# KiCad board Video Board - Signals.kicad_pcb (continued)
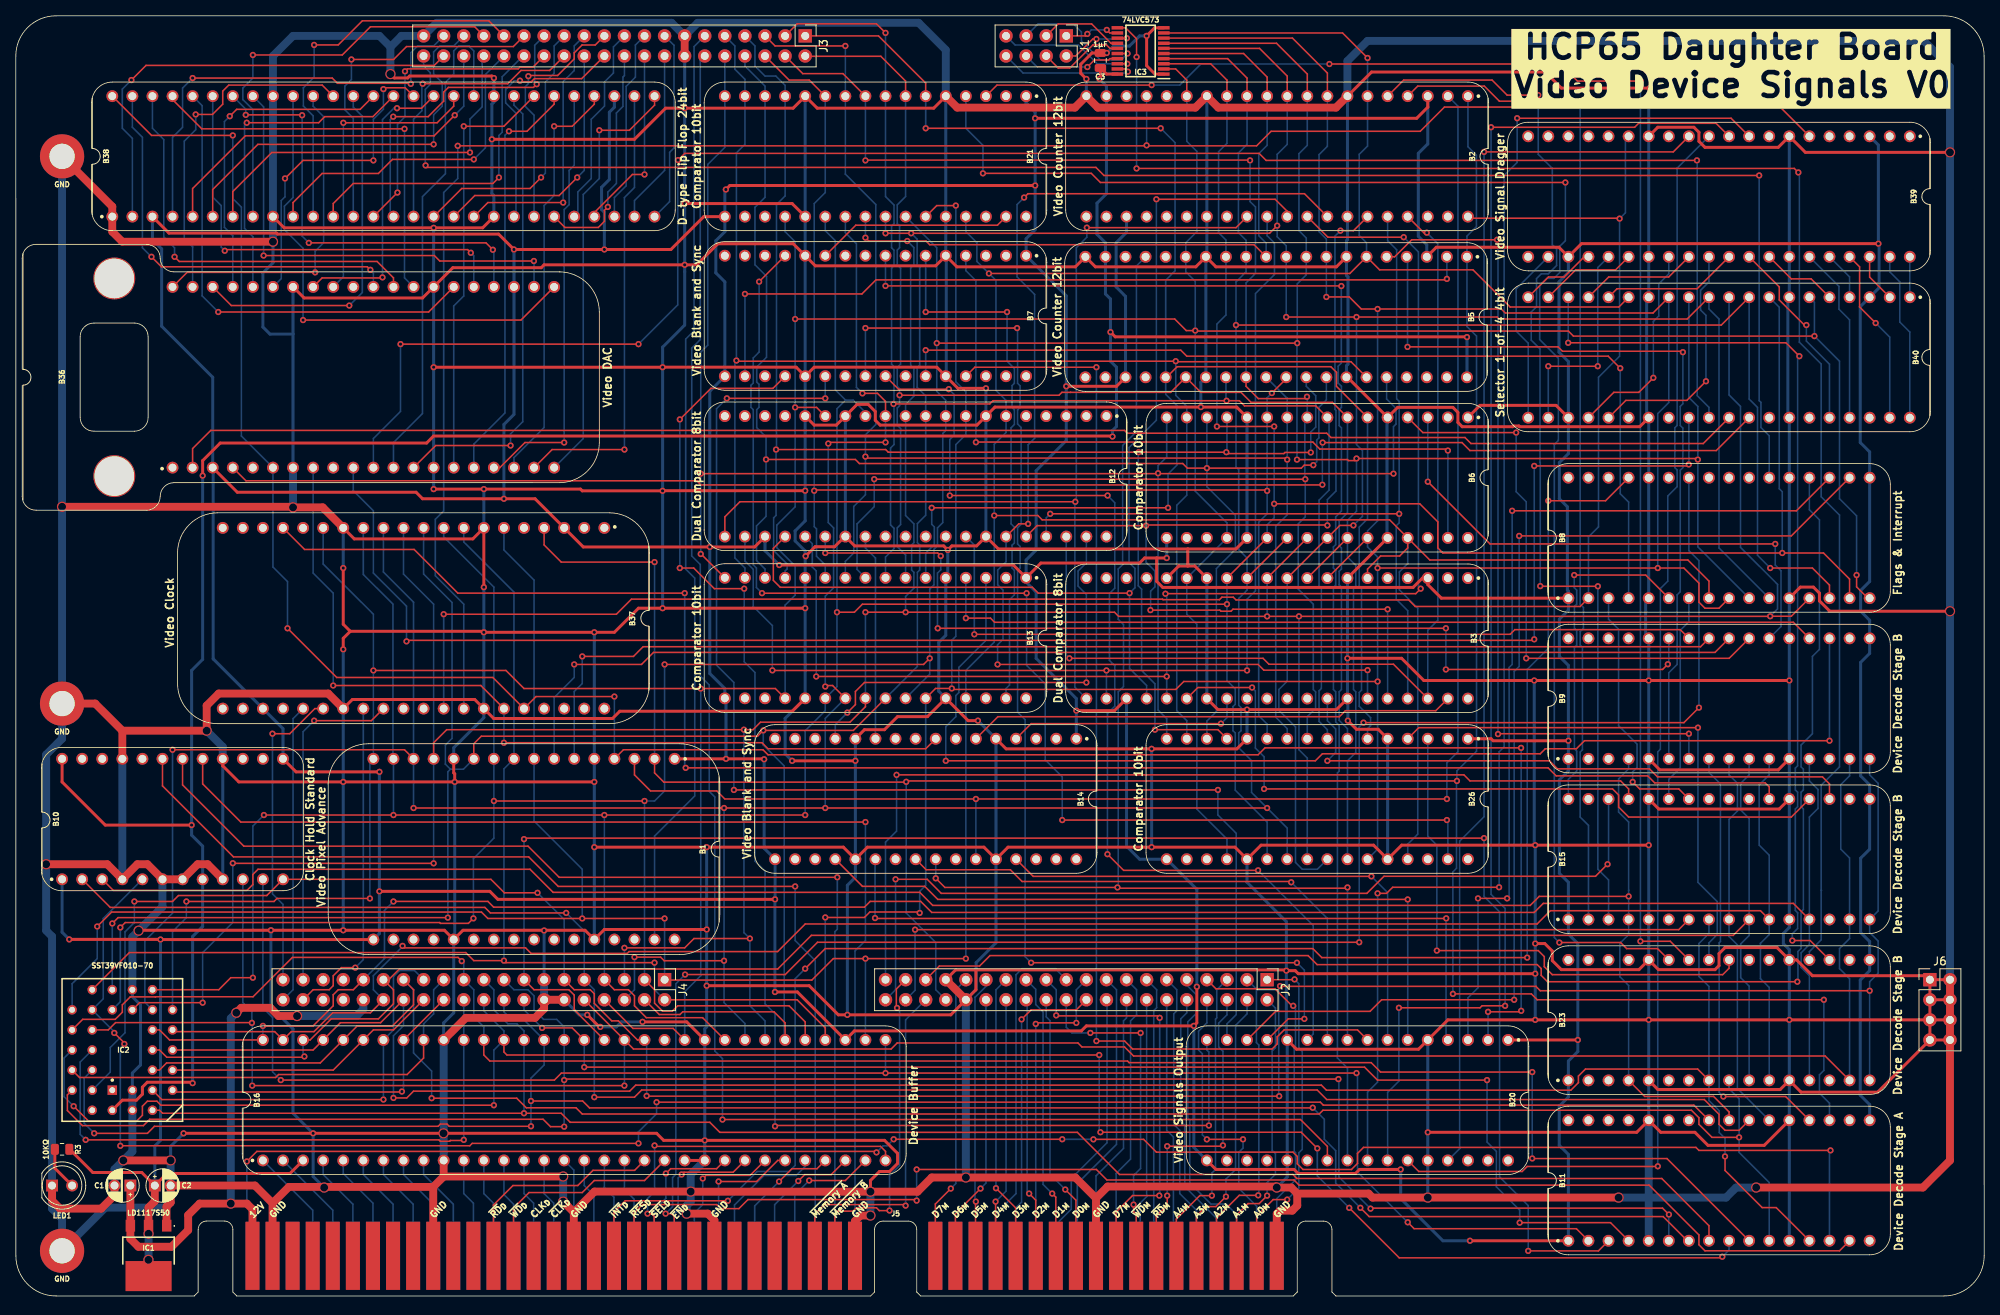
[diagram p0: board, top side]
## Nets
12V: C1.1 IC1.3 J4.32 J5.B1
/3.3V: B2.19 B5.19 B5.40 B10.8 B10.24 C3.2 IC2.32 IC3.20
/5V: B1.1 B1.17 B2.3 B2.23 B3.3 B3.23 B5.3 B5.23 B6.1 B6.17 B7.1 B7.17 B8.1 B8.17 B9.1 B9.17 B10.1 B10.13 B11.1 B11.17 B12.3 B12.23 B13.1 B13.17 B14.1 B14.17 B15.1 B15.17 B16.3 B16.35 B20.1 B20.17 B21.1 B21.17 B23.1 B23.17 B26.1 B26.17 B36.3 B36.23 B37.3 B37.23 B38.3 B38.31 B39.3 B39.23 B40.3 B40.23 C2.1 IC1.2 IC1.4 R3.2
GND: B1.5 B1.12 B1.21 B1.28 B2.7 B2.14 B2.20 B2.27 B2.34 B3.7 B3.14 B3.16 B3.27 B3.34 B5.7 B5.14 B5.20 B5.27 B5.34 B6.5 B6.12 B6.21 B6.28 B7.5 B7.12 B7.21 B7.28 B8.5 B8.12 B8.21 B8.28 B9.5 B9.12 B9.21 B9.28 B10.4 B10.6 B10.7 B10.9 B10.16 B10.21 B11.5 B11.12 B11.21 B11.28 B12.7 B12.14 B12.16 B12.27 B12.34 B13.5 B13.12 B13.21 B13.28 B14.5 B14.12 B14.21 B14.28 B15.5 B15.12 B15.21 B15.28 B16.10 B16.22 B16.23 B16.42 B16.55 B20.5 B20.12 B20.21 B20.28 B21.5 B21.12 B21.21 B21.28 B23.5 B23.12 B23.21 B23.28 B26.5 B26.12 B26.21 B26.28 B36.7 B36.14 B36.27 B36.34 B37.7 B37.14 B37.27 B37.34 B38.1 B38.9 B38.20 B38.37 B38.48 B39.7 B39.14 B39.27 B39.34 B40.7 B40.14 B40.27 B40.34 C1.2 C2.2 C3.1 H1.1 H9.1 H19.1 IC1.1 IC2.2 IC2.3 IC2.16 IC3.1 IC3.10 J2.32 J2.33 J3.13 J3.14 J3.39 J4.12 J4.13 J4.14 J5.B2 J5.B10 J5.B17 J5.B24 J5.B31 J5.D9 J5.D18 J6.1 J6.2 J6.3 J6.4 J6.5 J6.6 J6.7 J6.8 LED1.1
/A0: B9.13 B15.13 B16.64 B23.13 IC2.12 J4.31
/A1: B9.11 B15.11 B16.63 B23.11 IC2.11 J4.30
/A2: B9.10 B15.10 B16.62 B23.10 IC2.10 J4.29
/A3: B11.13 B15.8 B16.61 B23.8 IC2.9 J4.28
/A4: B11.11 B16.60 B23.9 IC2.8 J4.27
/A5: B16.59 IC2.7 J4.26
/A6: B16.58 IC2.6 J4.25
/A7: B16.57 IC2.5 J4.24
/A8: B16.56 IC2.27 J4.23
/A9: B16.54 IC2.26 J4.22
/A10: B11.10 B16.53 IC2.23 J4.21
/A11: B11.9 B16.52 IC2.25 J4.20
/A12: B11.8 B16.51 IC2.4 J4.19
/A13: B11.7 B16.50 IC2.28 J4.18
/A14: B11.6 B16.49 IC2.29 J4.17
/A15: B11.4 B16.48 J4.16
/A16: B11.3 B16.47 J4.15
/Advance Pixel: B1.31 J3.11
/Blue0: B38.28 J3.15
/Blue1: B38.27 J3.16
/Blue2: B38.26 J3.17
/Blue3: B38.25 J3.18
/Blue4: B38.24 J3.19
/Blue5: B38.23 J3.20
/Blue6: B38.22 J3.21
/Blue7: B38.21 J3.22
/D0: B1.16 B2.15 B3.15 B5.15 B6.20 B8.16 B12.15 B13.20 B16.43 B21.20 B26.20 B37.15 B40.6 IC2.13 IC3.2 J4.8
/D1: B1.15 B2.13 B3.13 B5.13 B6.22 B8.15 B12.13 B13.22 B16.41 B21.22 B26.22 B37.13 B40.8 IC2.14 IC3.3 J4.7
/D2: B1.14 B2.12 B3.12 B5.12 B6.23 B8.14 B12.12 B13.23 B16.40 B21.23 B26.23 B37.12 B40.9 IC2.15 IC3.4 J4.6
/D3: B1.13 B2.11 B3.11 B5.11 B6.24 B8.13 B12.11 B13.24 B16.39 B21.24 B26.24 B37.11 B40.10 IC2.17 IC3.5 J4.5
/D4: B1.11 B2.10 B3.10 B5.10 B6.25 B8.11 B12.10 B13.25 B16.38 B21.25 B26.25 B37.10 B40.11 IC2.18 IC3.6 J4.4
/D5: B1.10 B2.9 B3.9 B5.9 B6.26 B8.10 B12.9 B13.26 B16.37 B21.26 B26.26 B37.9 B40.12 IC2.19 IC3.7 J4.3
/D6: B1.9 B2.8 B3.8 B5.8 B6.27 B8.9 B12.8 B13.27 B16.36 B21.27 B26.27 B37.8 B40.13 IC2.20 IC3.8 J4.2
/D7: B1.8 B2.6 B3.6 B5.6 B6.29 B8.8 B12.6 B13.29 B16.34 B21.29 B26.29 B37.6 B40.15 IC2.21 IC3.9 J4.1
/First Pixel: B5.17 B14.25 B20.9
/First Pixel HC: B7.8 B20.24
/First Row: B7.25 B20.11
/Green0: B38.19 J3.23
/Green1: B38.18 J3.24
/Green2: B38.17 J3.25
/Green3: B38.16 J3.26
/Green4: B38.15 J3.27
/Green5: B38.14 J3.28
/Green6: B38.13 J3.29
/Green7: B38.12 J3.30
/H3: B2.29 B3.21 B12.21
/H4: B2.30 B3.22 B12.22
/H5: B2.31 B3.24 B12.24
/H6: B2.32 B3.25 B12.25
/H7: B2.33 B3.35 B12.35
/H8: B2.35 B3.36 B12.36
/H9: B2.36 B3.37 B12.37
/H10: B2.37 B3.38 B12.38
/HCBlue0: B36.20 B38.29
/HCBlue1: B36.19 B38.30
/HCBlue2: B36.18 B38.32
/HCBlue3: B36.17 B38.33
/HCBlue4: B36.16 B38.34
/HCBlue5: B36.15 B38.35
/HCBlue6: B36.13 B38.36
/HCBlue7: B36.12 B38.38
/HCGreen0: B36.32 B38.39
/HCGreen1: B36.33 B38.40
/HCGreen2: B36.35 B38.41
/HCGreen3: B36.36 B38.42
/HCGreen4: B36.37 B38.43
/HCGreen5: B36.38 B38.44
/HCGreen6: B36.39 B38.45
/HCGreen7: B36.40 B38.46
/HCRed0: B36.21 B38.47
/HCRed1: B36.22 B38.49
/HCRed2: B36.24 B38.50
/HCRed3: B36.25 B38.51
/HCRed4: B36.26 B38.52
/HCRed5: B36.28 B38.53
/HCRed6: B36.29 B38.54
/HCRed7: B36.30 B38.55
/Horizontal Blank: B14.29 B20.7
/Horizontal Blank _{FINAL}: B36.2 B40.31
/Horizontal Blank C3: B39.33 B40.5
/Horizontal Blank C4: B39.24 B40.20
/Horizontal Blank HC: B20.27 B39.11
/Horizontal Blank HC3: B39.38 B40.2
/Horizontal Blank HC4: B39.29 B40.17
/Horizontal Sync: B14.22 B20.4
/Horizontal Sync _{FINAL}: B36.4 B40.32
/Horizontal Sync C3: B39.32 B40.36
/Horizontal Sync C4: B39.22 B40.21
/Horizontal Sync HC: B20.29 B39.12
/Horizontal Sync HC3: B39.37 B40.39
/Horizontal Sync HC4: B39.28 B40.24
/Horizontal Sync Polarity: B8.19 B20.3
/Last Pixel+1: B14.24 B20.10
/Last Pixel+1 HC: B20.23 J3.12
/Last Row+1: B7.24 B20.13
/Memory Frame: B8.20 J2.35
/Palette Write: B8.22 J3.40
/Pixel CLK_{0}: B1.4 B20.2 B36.6 B37.36 B38.56
/Pixel CLK_{1}: B2.17 B37.33 B39.6
/Pixel CLK_{2}: B37.29 J4.37
/Pixel CLK_{3}: B37.26 J4.39
/PL0: IC3.19 J1.8
/PL1: IC3.18 J1.7
/PL2: IC3.17 J1.6
/PL3: IC3.16 J1.5
/PL4: IC3.15 J1.4
/PL5: IC3.14 J1.3
/PL6: IC3.13 J1.2
/PL7: IC3.12 J1.1
/Read Address Bank: B15.7 J2.38
/Read Address High: B15.29 J2.39
/Read Address Low: B15.30 J2.40
/Read Flags: B8.6 B15.32
/Read Horizontal High: B2.4 B15.2
/Read Horizontal Low: B2.5 B15.3
/Read Vertical High: B5.4 B9.6
/Read Vertical Low: B5.5 B9.7
/Red0: B38.11 J3.31
/Red1: B38.10 J3.32
/Red2: B38.8 J3.33
/Red3: B38.7 J3.34
/Red4: B38.6 J3.35
/Red5: B38.5 J3.36
/Red6: B38.4 J3.37
/Red7: B38.2 J3.38
/Row0: B5.25 B6.6 B13.6 B21.6 B26.6 J3.1
/Row1: B5.26 B6.7 B13.7 B21.7 B26.7 J3.2
/Row2: B5.28 B6.8 B13.8 B21.8 B26.8 J3.3
/Row3: B5.29 B6.9 B13.9 B21.9 B26.9 J3.4
/Row4: B5.30 B6.10 B13.10 B21.10 B26.10 J3.5
/Row5: B5.31 B6.11 B13.11 B21.11 B26.11 J3.6
/Row6: B5.32 B6.13 B13.13 B21.13 B26.13 J3.7
/Row7: B5.33 B6.14 B13.14 B21.14 B26.14 J3.8
/Row8: B5.35 B6.15 B13.15 B21.15 B26.15 J3.9
/Row9: B5.36 B6.16 B13.16 B21.16 B26.16 J3.10
/Vertical Blank: B7.29 B20.8
/Vertical Blank _{FINAL}: B36.10 B40.29
/Vertical Blank C3: B39.36 B40.4
/Vertical Blank C4: B39.26 B40.19
/Vertical Blank HC: B20.25 B39.9
/Vertical Blank HC3: B39.40 B40.1
/Vertical Blank HC4: B39.31 B40.16
/Vertical Sync: B7.22 B20.15
/Vertical Sync _{FINAL}: B36.11 B40.30
/Vertical Sync C3: B39.35 B40.37
/Vertical Sync C4: B39.25 B40.22
/Vertical Sync HC: B20.26 B39.10
/Vertical Sync HC3: B39.39 B40.40
/Vertical Sync HC4: B39.30 B40.25
/Vertical Sync Polarity: B8.18 B20.14
/Write Clear Interrupt: B8.3 B15.26
/Write Clock Select: B15.22 B37.17
/Write Flags: B8.7 B15.27
/Write Horizontal Back Porch End: B9.26 B12.33
/Write Horizontal Back Porch Start: B9.27 B12.26
/Write Horizontal Front Porch Start: B3.26 B15.20
/Write Horizontal Shift Pattern High: B1.7 B9.24
/Write Horizontal Shift Pattern Low: B1.6 B9.25
/Write Horiztonal Sync Start: B3.33 B15.19
/Write Palette Byte: B23.20 IC3.11
/Write Vertical Back Porch End High: B23.24 B26.3
/Write Vertical Back Porch End Low: B23.25 B26.4
/Write Vertical Back Porch Start High: B21.3 B23.26
/Write Vertical Back Porch Start Low: B21.4 B23.27
/Write Vertical Front Porch Start High: B6.3 B9.22
/Write Vertical Front Porch Start Low: B6.4 B9.23
/Write Vertical Sync Start High: B9.19 B13.3
/Write Vertical Sync Start Low: B9.20 B13.4
/Write Video Signal Delay: B23.19 B40.18
/~{A3}: B9.8 B11.20
/~{A4}: B9.9 B11.22 B15.9
/~{Device RAM}: B10.2 B11.23 J4.9
/~{Device Registers}: B9.4 B10.3 B11.24 B15.4 B23.4
/~{Device ROM}: B10.5 B11.25 IC2.22
/~{Device Select}: B10.11 B11.2 B16.33
/~{Horizontal Back Porch End} _{CMP}: B12.39 B14.13
/~{Horizontal Back Porch Start} _{CMP}: B12.28 B14.11
/~{Horizontal Blank}: B1.3 B2.2 B14.27
/~{Horizontal Front Porch Start} _{CMP}: B3.28 B14.4
/~{Horizontal Sync Start} _{CMP}: B3.39 B14.6
/~{Horizontal Sync}: B14.20 B20.6
/~{Pixel CLK}_{0}: B14.8 B36.8 B37.35
/~{Pixel CLK}_{1}: B2.40 B8.2 B37.32 B39.15
/~{Pixel CLK}_{2}: B37.28 J4.38
/~{Pixel CLK}_{3}: B37.25 J4.40
/~{RD}: B9.15 B10.10 B15.15 B16.46 B23.15 IC2.24 J4.10
/~{Reset}: B1.2 B2.1 B5.1 B11.19 B37.4 J2.34
/~{Vertical Back Porch End}: B5.2 B7.18
/~{Vertical Back Porch End} _{CMP}: B7.13 B26.31
/~{Vertical Back Porch Start} _{CMP}: B7.11 B21.31
/~{Vertical Blank}: B7.27 B8.4
/~{Vertical Front Porch Start} _{CMP}: B6.31 B7.4
/~{Vertical Sync Start} _{CMP}: B7.6 B13.31
/~{Vertical Sync}: B7.20 B20.16
/~{WD}: B9.16 B10.12 B15.16 B16.45 B23.16 IC2.31 J4.11
AD0: B16.1 J5.A4
AD1: B16.2 J5.A5
AD2: B16.4 J5.A6
AD3: B16.5 J5.A7
AD4: B16.6 J5.A8
AD5: B16.7 J5.A9
AD6: B16.8 J5.A10
AD7: B16.9 J5.A11
AD8: B16.11 J5.A12
AD9: B16.12 J5.A13
AD10: B16.13 J5.A14
AD11: B16.14 J5.A15
AD12: B16.15 J5.A16
AD13: B16.16 J5.A17
AD14: B16.17 J5.A18
AD15: B16.18 J5.A19
AD16: B16.19 J5.A20
AM0: J2.1 J5.D17
AM1: J2.2 J5.D16
AM2: J2.3 J5.D15
AM3: J2.4 J5.D14
AM4: J2.5 J5.D13
AM5: J2.6 J5.D12
AM6: J2.7 J5.C18
AM7: J2.8 J5.C17
AM8: J2.9 J5.C16
AM9: J2.10 J5.C15
AM10: J2.11 J5.C14
AM11: J2.12 J5.C13
AM12: J2.13 J5.C12
AM13: J2.14 J5.C11
AM14: J2.15 J5.C10
AM15: J2.16 J5.C9
AM16: J2.17 J5.C8
AM17: J2.18 J5.C7
AM18: J2.19 J5.C6
AM19: J2.20 J5.C5
AM20: J2.21 J5.C4
DD0: B16.31 J5.A28
DD1: B16.30 J5.A27
DD2: B16.29 J5.A26
DD3: B16.28 J5.A25
DD4: B16.27 J5.A24
DD5: B16.26 J5.A23
DD6: B16.25 J5.A22
DD7: B16.24 J5.A21
Device CLK: J5.B15
DM0: J2.24 J5.D8
DM1: J2.25 J5.D7
DM2: J2.26 J5.D6
DM3: J2.27 J5.D5
DM4: J2.28 J5.D4
DM5: J2.29 J5.D3
DM6: J2.30 J5.D2
DM7: J2.31 J5.D1
D~{RD}: B16.20 J5.B13
D~{WD}: B16.21 J5.B14
HD0: B10.17 J5.A31
HD1: B10.18 J5.A30
HD2: B10.19 J5.A29
M~{RD}: J2.23 J5.D10
M~{WD}: J2.22 J5.D11
~{Device CLK}: J5.B16
~{Device Interrupt}: B8.29 J5.B19
~{Enable Device}: B8.26 J5.B22
~{Memory A}: J2.36 J5.B29
~{Memory B}: J2.37 J5.B30
~{Reset Device}: B11.15 J5.B20
~{Reset System}: B11.14 J5.A1
~{Select Device}: B16.32 J5.B21
Net-(LED1-A): LED1.2 R3.1

Pads without a net: B1 18 19 20 22 23 24 25 26 27 29 30 32; B2 16 18 21 22 24 25 26 28 38 39; B3 1 2 4 5 17 18 19 20 29 30 31 32 40; B5 16 18 21 22 24 37 38 39; B6 2 18 19 30 32; B7 2 3 7 9 10 14 15 16 19 23 26 30 31 32; B8 23 24 25 27 30 31 32; B9 2 3 14 18 29 30 31 32; B10 14 15 20 22 23; B11 16 18 26 27 29 30 31 32; B12 1 2 4 5 17 18 19 20 29 30 31 32 40; B13 2 18 19 30 32; B14 2 3 7 9 10 14 15 16 18 19 23 26 30 31 32; B15 6 14 18 23 24 25 31; B16 44; B20 18 19 20 22 30 31 32; B21 2 18 19 30 32; B23 2 3 6 7 14 18 22 23 29 30 31 32; B26 2 18 19 30 32; B36 1 5 9 31; B37 1 2 5 16 18 19 20 21 22 24 30 31 37 38 39 40; B39 1 2 4 5 8 13 16 17 18 19 20 21; B40 26 28 33 35 38; IC2 1 30; J4 33 34 35 36; J5 A2 A3 B3 B4 B5 B6 B7 B8 B9 B11 B12 B18 B23 B25 B26 B27 B28 C1 C2 C3

## Via types
v1: diameter 0.8, hole 0.4, Top to Bottom, 579 vias
v2: diameter 1.3, hole 1, Top to Bottom, 29 vias

## Routing (per net, layer and track width the routed paths; a pad name or vN(x,y) marks a point on that pad's centre or on a via; arc(x,y) is an arc through that point)
12V: length 74.9
  Top w1: v2(27.89,35.82) 28.51,36.45 32.19,36.45 33.23,35.41 v2(35.57,35.41) ; 29.93,5.08 29.93,10.97 29.22,11.68 v2(27.19,11.68) 23.25,11.68 21.79,10.23 21.79,8.32 19.69,6.22 15.5,6.22 14.49,7.24 IC1.3 C1.1
  Bottom w1: v2(27.19,11.68) 27.19,35.12 v2(27.89,35.82) ; v2(35.57,35.41) 43.1,35.41 43.95,36.26 J4.32
/3.3V: length 332.2
  Top w0.38: v1(138.44,121.92) 139.04,121.32 183.49,121.32 v1(183.52,121.29) ; v1(137.04,153.94) 137.17,154.06 C3.2 137.94,154.56 IC3.20 ; v1(22.23,59.56) 11.31,59.56 5.85,65.02 B10.24 ; IC2.32 13.47,24.77 15.25,24.77 16.01,25.53 16.01,26.42 16.63,27.04 22.25,27.04 v1(22.36,26.92) ; v1(23.63,103.76) 23.63,105.66 25.85,107.89 51.95,107.89 52.84,108.78 138.63,108.78 v1(138.69,108.71)
  Bottom w0.38: v1(22.36,26.92) 22.36,45.47 23.63,46.74 B10.8 23.63,56.9 22.23,58.29 v1(22.23,59.56) 22.23,79.12 23.63,80.52 v1(23.63,103.76) ; v1(137.04,153.94) 137.93,153.05 B2.19 137.93,139.42 136.73,138.22 136.73,134.29 137.8,133.22 B5.19 137.8,126.75 138.44,126.11 v1(138.44,121.92) 138.44,118.24 139.2,117.48 139.2,109.98 138.69,109.47 v1(138.69,108.71) ; B5.40 v1(183.52,121.29)
/5V: length 1481.5
  Top w0.38: B16.3 34.68,15.49 19.1,15.49 C2.1 15.93,15.62 9.74,15.62 6.79,18.58 ; v1(149.36,39.12) 149.36,39.12 149.36,34.54 v1(148.98,34.16) 135.39,34.16 134.75,33.53 106.05,33.53 B16.35 98.84,38.45 v1(96.01,38.45) ; 144.28,93.35 144.28,90.39 145.05,89.62 176.71,89.62 177.89,90.81 B3.3 178.57,89.98 180.28,88.27 B8.1 ; 144.28,93.35 v1(145.55,93.35) ; 144.28,93.35 142.76,93.35 142.12,92.71 129.64,92.71 B13.1 126.15,92.46 v1(96.55,92.46) ; B40.23 194.79,112.65 185.17,112.65 B6.1 ; B10.13 35.44,66.29 v1(45.98,66.29) ; B26.1 186.57,70.49 186.82,70.23 v1(196.35,70.23) ; B36.3 28.01,101.66 50.62,101.66 51.44,100.84 v1(61.73,100.84) 65.67,100.84 B37.3 71.76,94.74 v1(87.77,94.74) 93.44,94.74 B12.23 ; B5.23 139.2,115.06 v1(132.85,115.06) ; v1(94.64,67.88) 94.58,67.95 v1(89.82,67.95) B1.1 ; v1(96.02,50.17) 60.97,50.17 59.95,51.18 v1(45.98,51.18) ; B21.17 87,136.53 82.85,132.37 v1(74.43,132.37) v1(63,132.37) 61.05,134.32 33.1,134.32 32.97,134.44 19.37,134.44 B38.3 ; B2.3 178.57,150.37 177.16,148.96 v1(128.91,148.96) ; B11.1 v1(183.9,6.99) ; B3.23 138.95,74.04 v1(134.12,74.04) ; B1.17 v1(18.3,45.09) 18.28,45.1 v1(6.76,45.1) ; B20.17 151.77,16 161.66,16 162.17,15.49 169.43,15.49 169.93,16 v1(175.14,16) ; v1(89.8,139.95) 90.31,140.46 v1(128.91,140.46) ; v1(235.56,133.11) 198.01,133.11 B39.23 195.15,132.65 179.65,132.65 B5.3 ; B20.1 v1(197.54,32.39)
  Top w1: v2(16.79,7.87) IC1.2 16.79,11.19 17.58,11.98 C2.1 ; v2(16.77,4.57) 16.77,2.53
  Bottom w0.38: B5.3 178.44,132.97 177.37,134.04 177.37,144.53 178.57,145.72 B2.3 ; B39.23 196.35,129.46 195.16,128.27 195.16,119.38 196.35,118.19 B40.23 196.35,106.55 195.21,105.41 195.21,100.84 196.22,99.82 196.22,89.28 196.35,89.15 B8.1 196.35,86.74 195.21,85.6 195.21,80.9 196.35,79.76 v1(196.35,70.23) B9.1 196.35,66.42 195.21,65.28 195.21,53.47 196.35,52.32 B15.1 196.35,45.77 197.54,44.58 v1(197.54,32.39) 197.54,30.91 196.35,29.72 B23.1 196.35,25.16 195.19,24 195.19,19.07 196.35,17.91 B11.1 ; B38.31 75.7,150.37 75.06,149.73 75.06,141.22 74.08,140.24 74.08,137.43 74.43,137.08 v1(74.43,132.37) ; v1(96.01,38.45) 96.01,50.15 v1(96.02,50.17) B14.17 94.64,56.63 v1(94.64,67.88) ; v1(149.36,39.12) 149.36,51.44 B26.17 142.12,55.25 140.47,56.9 B3.23 ; v1(45.98,66.29) v1(45.98,51.18) 45.98,45.85 B1.17 ; v1(89.8,139.95) 89.67,139.83 B21.17 89.67,134.62 88.53,133.48 88.53,129.41 89.67,128.27 B7.17 87.77,114.44 v1(87.77,94.74) 87.77,78.73 89.67,76.83 B13.17 ; B6.17 v1(145.55,93.35) ; B10.1 5.85,46.01 v1(6.76,45.1) ; B21.1 127.77,150.88 128.91,149.73 v1(128.91,148.96) v1(128.91,140.46) 128.91,134.87 127.77,133.73 B7.1 132.85,126.5 v1(132.85,115.06) B12.3 132.85,108.2 129.04,104.39 129.04,94.36 127.77,93.09 B13.1 ; v1(61.73,100.84) 61.73,110.24 63,111.51 B36.23 v1(63,132.37) ; B5.23 140.34,126.44 139.15,127.63 139.15,133.22 140.47,134.54 B2.23 ; B10.13 33.79,71.76 B37.23 24.96,80.58 24.96,104.71 ; v1(175.14,16) 175.14,12.32 180.47,6.99 v1(183.9,6.99) ; B11.17 234.45,24.21 233.26,25.4 233.26,39.96 234.45,41.15 B23.17 234.45,44.83 233.31,45.97 233.31,55.37 234.45,56.52 B15.17 234.45,64.64 233.31,65.79 233.31,80.14 234.45,81.28 B9.17 234.45,85.47 233.31,86.61 233.31,89.23 234.45,90.37 B8.17 234.45,106.76 233.26,107.95 233.26,125.14 B40.3 235.64,127.53 235.64,133.02 v1(235.56,133.11) 235.56,145.58 B39.3 ; B14.1 v1(134.12,74.04) 134.12,75.57 129.04,80.65 129.04,89.03 127.77,90.3 ; 17.28,136.52 17.28,133.6 18.44,132.44 18.44,122.66 24.9,116.21 B36.3 ; v1(18.3,45.08) 18.3,19.68 17.58,18.97 C2.1 ; B20.17 148.98,18.8 v1(148.98,34.16) ; v1(96.55,92.46) 94.75,94.26 B12.23 ; 89.82,75.35 v1(89.82,67.95)
  Bottom w1: v2(16.77,4.57) 16.79,4.59 v2(16.79,7.87)
GND: length 4140.1
  Top w0.38: B26.5 172.3,71.68 169.55,71.68 v1(168.46,72.77) ; 42.3,84.07 41.41,84.96 v1(41.41,92.08) ; 42.3,84.07 41.41,83.19 v1(41.41,81.79) ; 42.3,84.07 59.06,84.07 v1(59.19,83.95) v1(73.16,83.95) 75.7,83.95 78.75,87 v1(81.8,87) v1(99.83,87) ; v1(21.22,20.57) v1(37.6,20.57) v2(54.09,20.57) 81.04,20.57 81.93,19.69 v1(87.13,19.69) 109.86,19.69 111.51,18.03 111.51,16.76 110.5,15.75 109.23,15.75 108.08,14.6 v2(108.08,13.19) ; B13.21 98.19,73.96 76.38,73.96 75.47,73.05 60.44,73.05 B37.34 58.04,75.45 42.56,75.45 B37.27 ; J6.7 235.47,25.78 225.78,25.78 B23.12 223.13,26.11 207.67,26.11 B23.5 ; J6.7 J6.5 ; J6.7 J6.8 ; v1(87.37,39.24) 100.34,39.24 104.02,35.56 v1(105.16,35.56) 118.25,35.56 J2.32 121.42,38.74 121.42,41.25 ; B3.14 149.11,92.33 148.22,92.33 ; B3.34 167.01,74.17 v1(155.71,74.17) 152.03,74.17 B3.27 ; J6.3 J6.1 J6.2 ; J6.3 J6.4 ; J6.3 J6.5 ; B39.14 207.65,147.83 212.22,147.83 212.86,147.19 212.86,146.05 213.62,145.29 222.89,145.29 B39.7 226.32,144.65 v2(244.61,144.65) ; 148.22,94.49 124.26,94.49 B12.34 121.51,94.87 118.38,94.87 v1(117.86,94.36) 117.35,94.87 106.09,94.87 B12.27 ; 148.22,94.49 148.22,92.33 ; 148.22,94.49 154.31,94.49 B6.21 ; B37.14 42.81,95.76 57.79,95.76 B37.7 v1(59.19,89.65) ; v1(192.16,44.58) 193.37,44.58 194.32,43.62 194.32,42.42 195.46,41.28 205.27,41.28 B23.28 207.75,41.28 214.89,41.28 215.4,41.78 215.4,43.31 216.16,44.07 222.73,44.07 B23.21 225.22,42.51 227.22,40.51 241.56,40.51 ; 121.42,41.25 118.85,41.25 J2.33 ; 121.42,41.25 160.58,41.25 v1(160.68,41.15) 161.81,41.15 162.19,40.77 v1(192.16,40.77) ; v1(73.92,34.04) 73.8,34.04 v1(72.27,35.56) ; B1.12 55.38,66.17 55.51,66.04 v1(55.51,65.02) ; v1(99.83,101.85) 81.81,101.85 v1(81.8,101.84) 71.64,101.84 71.42,102.06 v1(59.19,102.06) v1(52.84,102.06) ; B38.20 59.04,135.11 v1(52.85,135.11) 33.94,135.11 B38.9 ; v1(60.46,154.05) 60.21,154.31 49.81,154.31 49.56,154.06 47.88,154.06 v2(47.38,154.56) ; B2.7 171.46,154.81 193.43,154.81 195.46,152.78 v1(206.64,152.78) ; B26.12 154.43,69.2 v1(143.65,69.2) 125.24,69.2 B14.5 ; J6.5 v1(224.29,34.93) v1(206.51,34.93) v1(192.16,34.93) 181.11,34.93 B20.5 177.4,31.21 161.96,31.21 B20.12 ; J6.5 J6.6 ; 148.22,92.33 147.07,92.33 B3.16 ; v1(224.29,77.85) v1(206.51,77.85) v1(192.03,77.85) 178.06,77.85 175.26,80.66 v1(168.41,80.66) ; B12.16 100.97,110.16 103.77,110.16 B12.14 106.39,112.78 107.79,112.78 108.7,111.87 108.7,110.77 109.31,110.16 121.55,110.16 B12.7 123.83,112.44 154.4,112.44 B6.12 ; B16.42 84.84,34.67 v1(79.26,34.67) ; B16.22 B16.23 ; v1(178.57,20.7) 204.99,20.7 B11.28 208.03,20.7 212.35,20.7 214,19.05 221.11,19.05 B11.21 ; B21.21 98.18,138.18 v1(84.59,138.18) ; B9.5 207.91,66.55 222.89,66.55 B9.12 ; B15.21 223.02,61.6 207.78,61.6 B15.28 ; B8.12 225.69,89.66 227.34,89.66 228.1,88.9 228.1,87.92 229.41,86.61 v2(244.61,86.61) ; B14.12 107.32,71.63 109.86,71.63 111.51,73.28 115.29,73.28 B13.28 120.44,72.77 v1(121.67,72.77) ; v1(206.51,57.02) v1(192.16,57.02) 175.27,57.02 B26.28 171.71,57.02 157.49,57.02 B26.21 154.19,56.77 v1(143.65,56.77) 125.48,56.77 B14.28 122.44,56.77 107.7,56.77 B14.21 104.66,56.77 v1(87.37,56.77) v1(73.16,56.77) ; v1(135.39,153.94) 134.68,154.65 134.68,155.8 136.11,157.23 C3.1 v1(137.97,157.23) ; 145.18,160.4 144.03,160.4 v1(143.01,159.38) 143.01,155.61 144.07,154.56 IC3.1 ; 168.41,116.21 B6.5 174.76,112.4 181.74,112.4 182.38,111.76 182.38,110.49 182.92,109.95 189.3,109.95 189.4,110.05 190.09,110.05 190.19,109.95 205.37,109.95 B40.27 ; v1(106.18,67.69) v1(98.18,67.69) ; B5.7 167.01,130.18 151.77,130.18 B5.14 149.23,130.18 136.53,130.18 B5.20 133.99,130.18 119.02,130.18 B7.5 116.33,130.3 101.11,130.3 B7.12 98.31,133.1 88.78,133.1 86.11,130.43 v1(84.59,130.43) 66.81,130.43 66.45,130.07 55.27,130.07 B36.27 51.44,126.24 36.46,126.24 B36.34 ; v2(15.53,46.2) 15.58,46.26 v1(32.27,46.26) v1(41.41,46.26) 54.21,46.26 B1.21 56.55,46.26 66.78,46.26 v1(66.81,46.23) 66.84,46.26 71.99,46.26 B1.28 74.43,46.36 v1(87.37,46.36) ; B21.5 116.09,150.24 101.35,150.24 B21.12 98.31,150.24 v1(84.59,150.24) 82.18,150.24 78.24,146.3 v1(60.21,146.3) ; v1(55.51,65.02) v1(73.16,65.02) ; v1(55.51,65.02) v1(41.41,65.02) 28.2,65.02 26.17,67.06 B10.16 ; 104.83,96.06 103.55,94.77 101.08,94.77 v1(99.89,93.58) ; v1(122.69,114.8) 119.15,114.8 B7.28 116.47,117.48 100.97,117.48 B7.21 98.69,117.48 81.8,117.48 v1(81.8,117.48) v1(52.84,117.48) ; B3.7 B6.28
  Top w1: 162.06,12.95 171.08,12.95 171.58,12.45 v2(178.57,12.45) v2(202.7,12.45) ; 162.06,12.95 162.06,11.43 161.42,10.8 159.87,10.8 159.47,10.39 159.47,5.08 ; 162.06,12.95 161.3,13.72 159.47,13.72 v2(159.47,13.72) 159.34,13.84 138.08,13.84 136.61,12.37 ; C1.2 12.49,12.73 10.8,11.05 5.6,11.05 4.59,12.06 4.59,13.97 ; 70.57,10.59 v2(69.22,11.94) ; 70.57,10.59 73.19,13.21 v2(85.35,13.21) 85.37,13.19 v2(108.08,13.19) 114.04,13.19 115.83,14.99 v2(120.15,14.99) 133.99,14.99 136.61,12.37 ; 70.57,10.59 70.57,5.08 ; 52.79,5.08 52.79,13.79 ; 52.79,13.79 54.11,15.11 ; 52.79,13.79 39.07,13.79 v2(39,13.72) 38.92,13.79 34.53,13.79 32.47,11.73 ; J6.2 J6.4 J6.6 J6.8 244.61,17.15 241.18,13.72 v2(220.1,13.72) ; B21.5 119.06,150.32 133.94,150.32 B2.20 136.84,150.32 149.18,150.32 B2.14 152.08,150.32 166.96,150.32 B2.7 ; B10.9 24.27,54.61 23,54.61 B10.7 B10.6 16.64,54.61 15.38,54.61 B10.4 11.57,54.61 v2(3.84,54.61) ; 13.47,71.5 B10.21 ; 13.47,71.5 v2(24.14,71.5) 24.14,74.68 25.66,76.2 39.51,76.2 B37.27 ; 13.47,71.5 10.04,74.93 H1.1 ; v2(84.84,10.41) 87.51,10.41 88.35,9.58 88.35,5.08 ; v2(69.22,15.11) 69.22,15.11 54.11,15.11 ; v2(32.52,133.35) 13.47,133.35 12.2,134.62 B38.1 12.2,137.8 H19.1 ; v2(19.58,17.14) 13.6,17.14 v2(13.6,17.15) ; J3.13 J3.14 ; 19.06,8.92 19.06,11.3 19.58,11.82 C2.2 30.23,13.97 32.47,11.73 ; 54.11,15.11 B16.10 ; B16.55 56.9,35.18 65.67,35.18 66.81,36.32 J4.14 J4.12 ; 106.13,5.08 106.13,9.47 106.83,10.18 v2(108.08,10.18) ; 136.61,5.08 136.61,12.37 ; 32.47,5.08 32.47,11.73 ; v2(5.85,99.82) 34.99,99.82 v2(35.06,99.75) 38.82,99.75 B37.14 ; J2.32 J2.33
  Bottom w0.38: v1(72.27,35.56) 71.25,35.56 J4.12 ; B9.28 v1(206.51,77.85) B9.5 B15.28 v1(206.51,57.02) B15.5 B23.28 v1(206.51,34.93) B23.5 B11.28 ; B36.7 35.06,121.67 ; 35.06,121.67 B36.34 ; 35.06,121.67 32.14,121.67 31.25,122.56 31.25,129.41 32.52,130.68 v2(32.52,133.35) ; 206.25,126.07 206.25,111.35 ; B3.34 v1(168.41,80.66) B3.7 ; B5.34 168.28,117.66 168.48,117.86 168.48,128.91 168.28,129.1 B5.7 168.28,133.48 168.41,133.6 B2.34 B2.7 ; v2(159.47,13.72) 160.79,15.04 B20.21 ; J4.13 v1(66.81,46.23) ; v1(192.03,77.85) 192.03,57.15 v1(192.16,57.02) v1(192.16,44.58) v1(192.16,40.77) v1(192.16,34.93) ; 206.12,87.88 206.12,83.57 ; 168.46,75.52 v1(168.46,72.77) ; IC2.16 14.74,37.85 15.77,36.82 15.77,29.22 14.74,28.19 IC2.3 ; 99.83,93.58 v1(99.89,93.58) ; 99.83,93.58 99.83,94.23 98.56,95.5 98.56,96.77 99.83,98.04 v1(99.83,101.85) B12.16 B7.21 B7.12 B21.21 B21.12 ; 99.83,93.58 B13.12 v1(99.83,87) B13.21 97.29,73.06 97.29,68.58 v1(98.18,67.69) ; v1(206.64,152.78) 206.51,152.65 B39.14 B39.27 B40.14 ; 224.1,126.15 224.1,111.28 ; v1(81.8,87) v1(81.8,101.84) v1(81.8,117.48) 81.8,120.02 84.59,122.81 84.59,129.54 v1(84.59,130.43) v1(84.59,138.18) v1(84.59,150.24) J3.14 ; v1(121.67,72.77) B14.5 B14.28 123.96,44.67 121.45,42.16 121.45,38.77 J2.32 ; B26.12 v1(155.71,74.17) ; B16.55 54.11,34.54 55.38,35.81 B1.21 ; B20.5 v1(178.57,20.7) B20.28 v2(178.57,12.45) ; B12.34 B12.7 v1(122.69,114.8) ; 117.61,75.61 116.72,76.5 116.72,82.68 117.61,83.57 B13.5 ; v1(143.65,69.2) v1(143.65,56.77) ; B38.20 60.46,139.19 60.21,139.45 v1(60.21,146.3) 60.21,150.76 60.46,151.02 B38.37 v1(60.46,154.05) ; 173.41,96.27 173.41,111.05 ; B37.14 v1(41.41,92.08) ; v1(73.16,83.95) B1.5 v1(73.16,65.02) v1(73.16,56.77) B1.28 ; B21.5 B21.28 B7.5 ; B6.21 B6.12 ; B10.16 B10.9 ; v1(21.22,20.57) 19.58,18.93 v2(19.58,17.14) ; v2(39,13.72) 37.6,15.11 v1(37.6,20.57) 35.06,23.11 35.06,33.78 32.27,36.58 v1(32.27,46.26) ; B40.27 B8.28 ; v1(52.85,135.11) 52.84,135.1 B36.27 v1(52.84,117.48) B36.14 v1(52.84,102.06) ; 55.51,45.21 v1(55.51,65.02) ; v1(79.26,34.67) 76.59,34.67 75.95,34.04 v1(73.92,34.04) ; B2.14 B2.27 150.63,131.57 ; B3.27 B3.14 ; B5.14 B5.27 149.87,115.57 v1(149.87,112.44) ; v1(143.01,159.38) 142.12,159.38 140.83,158.1 138.84,158.1 v1(137.97,157.23) ; B40.7 B39.34 B39.7 ; B2.20 v1(135.39,153.94) ; v1(41.41,46.26) v1(41.41,65.02) B37.27 v1(41.41,81.79) ; B14.12 v1(106.18,67.69) B14.21 106.18,52.96 105.16,51.94 v1(105.16,35.56) ; 160.79,17.15 160.79,32.38 ; B1.12 55.38,69.34 59.19,73.15 B37.34 v1(59.19,83.95) v1(59.19,89.65) ; B16.23 v1(87.13,19.69) B16.42 87.13,33.79 87.37,34.04 v1(87.37,39.24) v1(87.37,56.77) ; 206.51,103.5 206.51,88.27 ; B26.21 155.71,52.32 160.68,47.35 v1(160.68,41.15) 160.68,32.49 ; 117.86,91.09 v1(117.86,94.36) ; 117.68,116.41 117.68,131.52 ; B37.7 v1(59.19,102.06) ; B11.12 B11.21 B23.12 v1(224.29,34.92) B23.21 224.29,43.82 223.54,44.57 223.54,45.86 224.29,46.61 B15.12 B15.21 B9.12 v1(224.29,77.85) B9.21 B8.12 B8.21 B40.34 ; B12.27 B12.14 ; B26.28 B26.5
  Bottom w1: J4.14 J4.13 ; B2.7 168.41,156.21 170.95,158.75 241.31,158.75 244.61,155.45 v2(244.61,144.65) v2(244.61,86.61) J6.2 ; C1.2 12.49,16.03 v2(13.6,17.15) 14.74,18.29 IC2.2 IC2.3 ; v2(120.15,14.99) J2.32 ; v2(108.08,10.18) v2(108.08,13.19) ; B11.5 206.51,12.45 ; 206.51,12.45 216.29,12.45 217.56,13.72 v2(220.1,13.72) ; 206.51,12.45 v2(202.7,12.45) ; 206.51,12.45 B11.28 ; B10.6 18.55,49.23 v2(15.53,46.2) 14.74,45.42 IC2.16 ; v2(69.22,11.94) v2(69.22,15.11) ; v2(32.52,133.35) B38.9 B38.48 32.52,156.85 35.06,159.39 45.98,159.39 47.38,157.99 ; B10.21 B10.4 ; B36.7 v2(35.06,99.75) ; B16.10 54.11,20.56 v2(54.09,20.57) 54.11,20.59 B16.55 ; 47.38,157.99 v2(47.38,154.56) ; 47.38,157.99 48.78,159.39 J3.39 53.22,161.04 82.94,161.04 J3.13 86.24,161.04 114.18,161.04 117.61,157.61 B21.5 ; v2(19.58,17.14) C2.2 19.58,11.82 18.93,11.18 11.31,11.18 H9.1 5.85,9.78 4.59,11.04 4.59,45.48 3.84,46.23 v2(3.84,54.61) 3.84,68.47 5.85,70.49 H1.1 v2(5.85,99.82) H19.1 ; v2(84.84,10.41) 84.84,11.43 85.35,11.94 v2(85.35,13.21) 85.35,15.37 B16.23 ; v2(24.14,71.5) 26.17,69.47 B10.16
/A0: length 267.7
  Top w0.2: IC2.12 18.17,33.66 19.44,32.39 B16.64 ; v1(47.76,49.9) 47.77,49.91 59.7,49.91 60.43,49.18 107.32,49.18 108.05,49.91 114.44,49.91 115.83,48.51 192.03,48.51 193.17,49.66 224.8,49.66 B15.13 ; J4.31 42.68,38.74 40.77,38.74 40.14,38.1 40.14,36.7 37.6,34.16 v1(31.25,34.16)
  Bottom w0.2: J4.31 46.62,42.68 46.62,48.76 v1(47.76,49.9) ; 226.83,27.27 226.83,40.51 225.78,41.56 225.78,43.4 226.83,44.45 B15.13 226.83,60.58 227.92,61.67 227.92,64.06 226.83,65.15 B9.13 ; B16.64 v1(31.25,34.16)
/A1: length 256.4
  Top w0.2: v1(48.91,44.28) 49.16,44.03 64.47,44.03 65.17,43.33 77.33,43.33 77.56,43.56 96.34,43.56 99.84,47.05 192.39,47.05 194.07,48.73 220.64,48.73 B15.11 ; 20.04,33.44 32.74,33.44 B16.63 34.84,33.44 37.7,33.44 40.08,35.81 44.84,35.81 J4.30
  Bottom w0.2: B9.11 221.75,65.91 220.48,64.64 220.48,57.02 221.75,55.75 B15.11 221.75,45.72 220.64,44.61 220.64,40.13 221.75,39.02 B23.11 ; v1(48.91,44.28) 48.91,44.2 45.22,40.51 45.22,38.74 J4.30
/A2: length 256.3
  Top w0.2: IC2.10 18.17,31.12 19.09,30.2 36.4,30.2 v1(36.5,30.3) ; B15.10 217.2,45.61 100.61,45.61 96.36,41.36 48.51,41.36 47.16,40.01 ; B16.62 37.22,32.39 39.89,35.05 45.86,35.05 47.76,36.96 47.76,38.74 J4.29
  Bottom w0.2: B9.10 219.21,65.91 218.14,64.84 218.14,61.47 219.21,60.4 B15.10 219.21,45.59 218.14,44.52 218.14,40.26 219.21,39.19 B23.10 ; B16.62 36.33,30.46 v1(36.5,30.3)
/A3: length 262.3
  Top w0.2: B11.13 222.64,11.18 220.86,11.18 216.16,15.87 v1(216.16,17.65) ; B23.8 212.7,28.7 198.51,28.7 197.62,27.81 197.62,26.98 196.67,26.03 165.75,26.03 165.11,26.67 78.4,26.67 77.63,25.91 50.3,25.91 49.44,25.05 v1(47.76,25.05) ; IC2.9 37.6,31.12 B16.61 41.05,34.56 46.13,34.56 J4.28
  Bottom w0.2: v1(47.76,25.05) 47.76,32.92 49.03,34.19 J4.28 ; v1(216.16,17.65) 216.16,19.94 215.43,20.67 215.43,23.43 214.13,24.72 B23.8 214.13,39.15 212.86,40.42 212.86,44.58 214.13,45.85 B15.8
/A4: length 247.3
  Top w0.2: v1(217.94,20.07) 214.51,20.07 212.86,21.72 212.86,22.55 211.91,23.5 165.31,23.5 164.83,23.02 71.64,23.02 70.85,23.8 64.56,23.8 63.34,25.02 v1(52.59,25.02) ; J4.27 50.3,38.74 50.3,36.83 47.63,34.16 43.19,34.16 B16.60 38.5,29.48 19.07,29.48 18.17,28.58 IC2.8
  Bottom w0.2: B11.11 221.75,14.35 217.94,18.16 v1(217.94,20.07) 217.94,24.94 216.67,26.21 B23.9 ; v1(52.59,25.02) 52.59,28.45 50.3,30.73 50.3,38.74 J4.27
/A5: length 35.4
  Top w0.2: IC2.7 40.14,28.58 B16.59 45.22,33.66 47.76,33.66 J4.26
/A6: length 50.4
  Top w0.2: IC2.6 18.47,24.84 v1(46.49,24.84)
  Bottom w0.2: J4.25 50.41,41.17 48.53,41.17 47.76,40.4 47.76,33.66 B16.58 v1(46.49,24.84)
/A7: length 42.6
  Top w0.2: v1(48.83,25.86) 48.77,25.8 20.05,25.8 ; J4.24 B16.57
  Bottom w0.2: B16.57 49.03,26.06 v1(48.83,25.86)
/A8: length 56.8
  Top w0.2: IC2.27 8.06,27.64 32.85,27.64 33.22,28.01 49.48,28.01 51.57,30.1 B16.56
  Bottom w0.2: B16.56 51.57,34.42 52.84,35.69 52.84,38.74 J4.23
/A9: length 78
  Top w0.2: v1(8.83,19.75) 53.51,19.75 53.68,19.57 54.87,19.57 54.97,19.67 56.57,19.67 v1(56.65,19.75)
  Bottom w0.2: J4.22 B16.54 v1(56.65,19.75) ; IC2.26 8.14,29.59 8.14,20.45 v1(8.83,19.75)
/A10: length 243
  Top w0.2: v1(191.78,28.32) 172.6,28.32 171.41,29.51 140.8,29.51 140.6,29.72 59.95,29.72 59.19,30.48 B16.53 ; v1(56.4,42.36) 55.92,42.83 34.98,42.83 30,37.85 17.67,37.85 17.65,37.83 14.47,37.83 13.47,36.83 13.47,35.89 12.57,34.99 8.46,34.99 IC2.23 ; B11.10 208.81,17.38 191.8,17.38 v1(191.78,17.4)
  Bottom w0.2: v1(191.78,17.4) v1(191.78,28.32) ; v1(56.4,42.36) 56.65,42.1 J4.21 57.92,38.74 57.92,35.31 59.19,34.04 B16.53
/A11: length 255.3
  Top w0.2: B16.52 61.73,30.86 62.11,30.48 v1(137.02,30.48) ; v1(168.64,11.15) 174.96,4.83 215.68,4.83 v1(215.82,4.97) ; v1(7.31,24) 9.22,22.1 15.25,22.1 16.01,22.86 16.01,24 16.64,24.64 17.84,24.64 18.35,24.13 v1(60.46,24.13) ; v1(137.17,20.71) 162.56,20.71 v1(164.6,18.67)
  Bottom w0.2: J4.20 59.19,36.07 61.73,33.53 B16.52 ; B11.9 216.67,5.82 v1(215.82,4.97) ; v1(164.6,18.67) 164.6,15.18 v1(168.64,11.15) ; IC2.25 6.1,30.1 6.1,25.21 v1(7.31,24) ; v1(137.17,20.71) 137.02,20.87 v1(137.02,30.48) ; v1(60.46,24.13) 60.46,31.11 61.73,32.38
/A12: length 224.5
  Top w0.2: B11.8 214.13,8.89 208.16,14.86 162.02,14.86 161.51,15.37 139.58,15.37 134.25,20.7 89.03,20.7 87.77,21.97 70.11,21.97 68.97,23.11 v1(64.27,23.11) 18.55,23.11 18.17,23.5 IC2.4
  Bottom w0.2: J4.19 60.46,38.74 60.46,36.2 62.24,34.42 63.38,34.42 64.27,33.53 B16.51 v1(64.27,23.11)
/A13: length 241.9
  Top w0.2: v1(65.15,21.46) 54.81,21.46 54.52,21.75 53.7,21.75 53.41,21.46 17.53,21.46 16.64,20.57 v1(9.91,20.57) ; 211.39,6.99 208.33,10.04 171.16,10.04 v1(170.04,11.16) ; v1(164.02,23.81) 163.99,23.79 72.56,23.79 71.68,24.66 v1(65.15,24.66)
  Bottom w0.2: v1(65.15,21.46) v1(65.15,24.66) 65.15,27.55 66.81,29.21 B16.50 64.27,34.93 62.75,34.93 61.73,35.94 J4.18 ; v1(170.04,11.16) 166.92,14.27 166.92,18.38 165.48,19.82 165.48,22.35 v1(164.02,23.81) ; v1(9.91,20.57) 8.64,21.84 8.64,27.56 IC2.28
/A14: length 248.4
  Top w0.2: v1(69.35,27.31) 69.48,27.44 167.26,27.44 v1(167.27,27.43) ; v1(209.06,10.3) 208.25,11.11 171.39,11.11 v1(171.33,11.05) ; IC2.29 6.52,25.44 6.52,23.46 8.43,21.55 16.14,21.55 16.94,22.35 66.68,22.35 67.62,21.41 v1(69.35,21.41)
  Bottom w0.2: v1(209.06,10.3) 209.05,10.29 B11.6 ; v1(171.33,11.05) 167.32,15.06 167.32,27.38 v1(167.27,27.43) ; J4.17 63,38.74 64.76,38.74 65.54,37.96 65.54,36.2 66.75,34.99 68.4,34.99 69.35,34.04 B16.49 v1(69.35,27.31) 69.35,21.41 v1(69.35,21.41)
/A15: length 163.2
  Top w0.2: v1(190.19,9.27) 201.68,9.27 B11.4 ; B16.48 70.37,33.91 v1(66.56,33.91) ; v1(71.89,28.94) 170.57,28.94 172.21,27.31 v1(186.06,27.31)
  Bottom w0.2: v1(190.19,9.27) 190.19,10.86 187.24,13.81 187.24,18.29 186.06,19.47 v1(186.06,27.31) ; B16.48 v1(71.89,28.94) ; v1(66.56,33.91) 64.27,36.2 J4.16
/A16: length 218.9
  Top w0.2: B16.47 70.62,36.2 70.62,38.06 69.94,38.74 65.54,38.74 J4.15 ; v1(64.27,57.79) 64.4,57.91 v1(185.68,57.91) ; v1(191.27,5.7) 200.15,5.7 B11.3
  Bottom w0.2: v1(191.27,5.7) 191.27,11.43 187.64,15.06 187.64,48.58 185.68,50.55 v1(185.68,57.91) ; J4.15 v1(64.27,57.79)
